# Altium PCB Copy of drac_v3.PcbDoc (part 2 of 5) (continued)
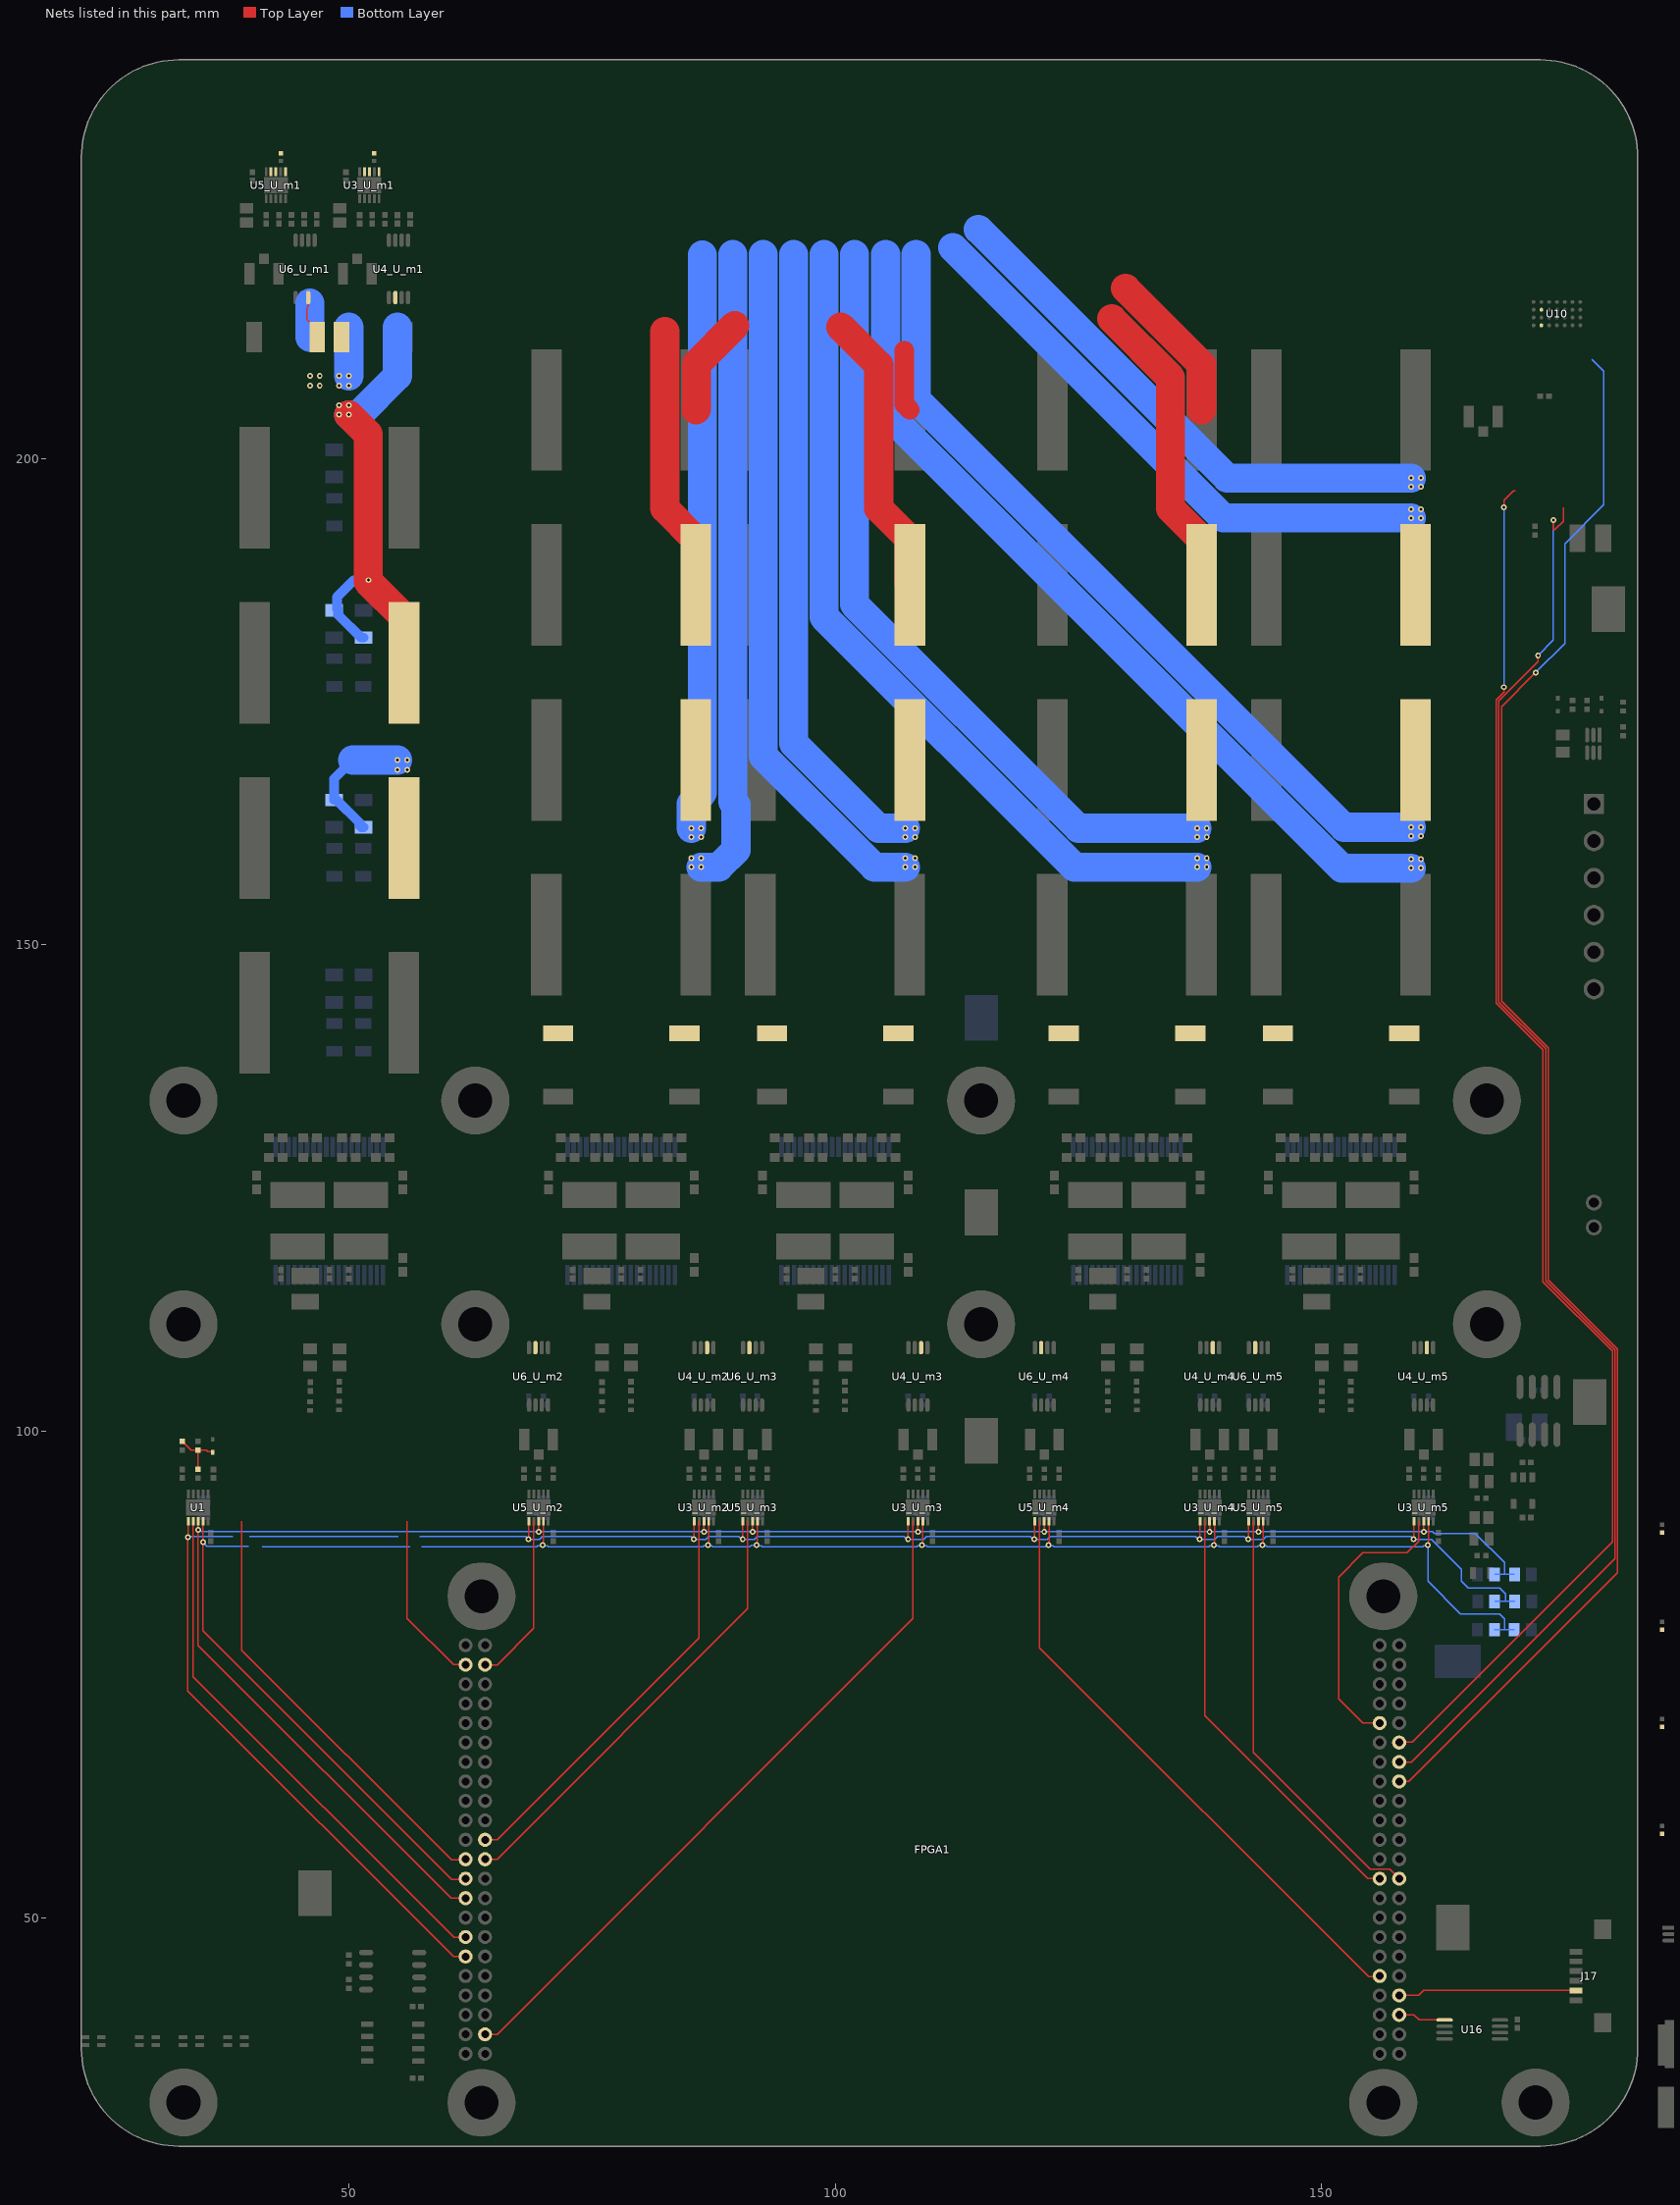
[diagram p4: the nets of this part, all layers, seen from the top]
## Part data (continued)
U7: "LVDS Receiver 8-Pin SOIC T/R", Case/Package=SOIC, Manufacturer="Texas Instruments", Manufacturer Part Number=SN65LVDS34DR, Max Input Current=75uA, Max Operating Temperature=85°C, Max Power Dissipation=950mW, Max Supply Voltage=3.6V, Min Operating Temperature=-40°C, Min Supply Voltage=3V, Nominal Supply Current=12mA, Operating Supply Voltage=3.3V, Package Quantity=2500, Supplier Part Number 1=296-SN65LVDT34DRCT-ND, Category="Interface ICs", ComponentLink1Description=https://datasheet.ciiva.com/1770/sn65lvdt33-1770664.pdf, ComponentLink1URL=https://datasheet.ciiva.com/1770/sn65lvdt33-1770664.pdf, ComponentLink2Description=https://datasheet.ciiva.com/3152/sn65lvds33-3152872.pdf, ComponentLink2URL=https://datasheet.ciiva.com/3152/sn65lvds33-3152872.pdf, ComponentLink3Description=https://datasheet.ciiva.com/15133/getdatasheetpartid-524946-15133570.pdf?src-supplier=Verical, ComponentLink3URL=https://datasheet.ciiva.com/15133/getdatasheetpartid-524946-15133570.pdf?src-supplier=Verical, ComponentLink4Description=https://datasheet.ciiva.com/26828/sn65lvdt34dr-26828764.pdf?src-supplier=IIIC, ComponentLink4URL=https://datasheet.ciiva.com/26828/sn65lvdt34dr-26828764.pdf?src-supplier=IIIC, ComponentLink5Description=https://datasheet.ciiva.com/1770/sn65lvdt33-1770866.pdf?src-supplier=Digi-Key, ComponentLink5URL=https://datasheet.ciiva.com/1770/sn65lvdt33-1770866.pdf?src-supplier=Digi-Key, ComponentLink6Description=https://datasheet.ciiva.com/3153/sn65lvds33-3153018.pdf?src-supplier=Avnet, ComponentLink6URL=https://datasheet.ciiva.com/3153/sn65lvds33-3153018.pdf?src-supplier=Avnet, ComponentLink7Description=https://datasheet.ciiva.com/26002/slls490b-26002508.pdf?src-supplier=Avnet+Europe, ComponentLink7URL=https://datasheet.ciiva.com/26002/slls490b-26002508.pdf?src-supplier=Avnet+Europe, Contact Plating=Gold, Data Rate=400Mbps, Lead Free="Lead Free", Logic Function=Receiver, Mount="Surface Mount", Number of Drivers=4, Number of Elements=4, Number of Pins=8, Number of Receivers=4, Packaging="Tape and Reel", Power Dissipation=950mW, Pricing 1="1=2.27, 10=2.042, 100=1.641, 500=1.34828, 1000=1.11714 (USD)", Pricing 2="1=2.75000, 10=2.47200, 25=2.33200, 100=1.86560, 250=1.63240, 500=1.58576, 1000=1.25928 (USD)", Propagation Delay=9ns, Radiation Hardening=No, Receiver Hysteresis=50mV, RoHS=Yes, RoHS Compliant=Yes, Series=65LVDT, Stock 1=3654, Stock 2=2291, Supplier 1=Digi-Key, Supplier 2=Digi-Key, Supplier Part Number 2=296-39187-1-ND, Supply Current=12mA, Turn-On Delay Time=9ns, Weight=0.002561oz
U8: library part CMP-0058-00996-3, "LVDS Dual High Speed Differential Driver, 8-pin Narrow SOIC, Pb-Free", Manufacturer="Texas Instruments", PackageTopMarking=NSZXTT*LV27A*TM, PowerWise=N, Code_IPC=SOIC127P600-8, Code_JEDEC=MS-012-AA, ComponentLink1Description="Datasheet URL", ComponentLink1URL=http://www.ti.com/general/docs/lit/getliterature.tsp?genericPartNumber=DS90LV027A&fileType=pdf, CompType="Interface IC", PackageDescription="SOIC Narrow, 4.9 x 3.9 x 1.45mm, 8 Lead, 1.27mm Pitch", PackageReference=D0008A, PinCount=8, RoHS=Y
U9: library part LP5907MFX-3.3/NOPB, "Ultra Low Noise, 250mA Linear Regulator", Alternate Manufacturer="Texas Instruments", Case/Package=SOT-23, Dropout Voltage=250mV, Max Input Voltage=5.5V, Max Operating Temperature=125°C, Max Output Current=250mA, Min Input Voltage=2.2V, Min Operating Temperature=-40°C, Nominal Output Voltage=1.8V, Output Voltage Accuracy=2%, Package Quantity=3000, Power Supply Rejection Ratio (PSRR)=82dB, Quiescent Current=25uA, Supplier Part Number 1=296-41463-1-ND, Accuracy=2%, Category="Voltage Regulators - Linear", ComponentLink1Description="Datasheet Link", ComponentLink1URL=http://www.ti.com/lit/ds/symlink/lp5907.pdf, ComponentLink2Description=https://datasheet.ciiva.com/15083/lp5907-15083594.pdf?src-supplier=Digi-Key, ComponentLink2URL=https://datasheet.ciiva.com/15083/lp5907-15083594.pdf?src-supplier=Digi-Key, CompType=IC, Contact Plating=Tin, LatestRevisionDate=2016-09-20, Lead Free="Lead Free", Manufacturer="Texas Instruments", Manufacturer Part Number=LP5907MFX-1.8/NOPB, Mount="Surface Mount", MountType=SMT, Number of Outputs=1, Number of Pins=5, Number of Regulators=1, Output Current=250mA, Output Type=Fixed, Output Voltage=1.8V, PackageDescription=SOT-5, PackageReference=DBV0005A, Packaging="Tape and Reel", PartNumber=LP5907MFX-1.8/NOPB, Polarity=Positive, Pricing 1="1=0.57000, 10=0.48900, 25=0.45640, 100=0.33900, 250=0.28684, 500=0.27380, 1000=0.20209 (USD)", Publisher="Texas Instruments", REACH SVHC="No SVHC", RoHS=Y, RoHS Compliant=Yes, SizeArea_mm2=8.12, SizeAreaWB_mm2=14.82, SizeX_mm=2.8, SizeY_mm=2.9, SizeZ_mm=1.45, Stock 1=17882, Supplier 1=Digi-Key, SymbolCreator=a0799628, SymbolVersion=2014-03-21, U/M=EA
U10: library part CMP-09139-000005-1, "DC DC CONVERTER 0.8-15V", Manufacturer="Analog Devices", Max Junction Temp=+125°C, Max Supply Voltage=40V, Min Supply Voltage=3.2V, Nominal Supply Current=3-8uA, Output Current=2uA, Output Voltage=0.8-15V, Package=BGA-28-05-08-1517, Switching Frequency=200-2200kHz, Temperature="-40°C to +125°C", Temperature Range Low=-40°C, Automotive=No, Category=IC, ComponentLink2Description=Datasheet, ComponentLink2URL=https://www.analog.com/media/en/technical-documentation/data-sheets/LTM8063.pdf, Device Class L1="Integrated Circuits (ICs)", Device Class L2="Power Management ICs", Device Class L3="Voltage Regulators - Switching", Digikey Description="DC DC CONVERTER 0.8-15V", Height=2.42mm, Ipc Land Pattern Name=BGA28C80P4X7_625X400X242, Lead Free=Yes, Manufacturer Part Number=LTM8063EY#PBF, Mouser Description="Module DC-DC 1-OUT 0.8V to 15V 2A Automotive 28-Pin BGA Tray", Number of Outputs=1, Octopart=https://octopart.com/ltm8063ey%23pbf-analog+devices-88947122, Output Type=AdjustableProgrammable, RoHS=TRUE, Standoff Height=0.3mm, Switching Topology=Buck, Temperature Range High=+125°C
U12: library part CMP-0784-00192-1, "Ultralow Noise, High Accuracy Voltage Reference, 4.096 V Output, 3 to 15 V Supply, Industrial, 8-pin SOIC (R-8), Tube", Manufacturer="Analog Devices", Operating Temp Range="-40 to 125 degC", Supplier Part Number 1=ADR4540BRZ-ND, Code_JEDEC=MS-012-AA, ComponentLink1Description="Manufacturer URL", ComponentLink1URL=http://www.analog.com/en/index.html, ComponentLink2Description=Datasheet, ComponentLink2URL=http://www.analog.com/static/imported-files/data_sheets/ADR4520_4525_4530_4533_4540_4550.pdf, ComponentLink3Description="Package Specification", ComponentLink3URL=http://www.analog.com/static/imported-files/packages/PKG_PDF/SOIC_Narrow%20(R)/R_8.pdf, ComponentLink4Description="URL Link1", ComponentLink4URL="Product URL:http://www.analog.com/en/special-linear-functions/voltage-references/adr4540/products/product.html", DatasheetVersion="Rev. 0", Max V Supply (V)=15, Min V Supply (V)=3, Mounting Technology="Surface Mount", PackageDescription="8-Pin Standard Small Outline Package, Body 4.9 x 3.9 mm, Pitch 1.27 mm", PackageReference=R-8, PackageVersion="060506-A, 06/2006", Packing=Tube, PartNumber=ADR4540BRZ, Ref Out TC (ppm/C)=2, Supplier 1=Digi-Key, Vout=4.096V
U15: Supplier Part Number 1=Z11634-ND, Supplier 1=Digi-Key
U16: library part CMP-0165-00422-1, "128K SPI Bus Serial EEPROM, 8-Pin TSSOP, Industrial Temperature, Tape and Reel", Code_JEDEC=MO-153, DatasheetVersion="revD, Jun-2009", PackageDescription="8-Lead Plastic Thin Shrink Small Outline (ST) - 4.4mm Body [TSSOP]", PackageReference=TSSOP-ST8, PackageVersion="revBB, Aug-2009"

## Free pads (board coordinates)
  round 7 hole 3.5: 1(33,31) 1(33,307) 1(33,111) 1(33,134) 1(63,111) 1(63,134) 1(63.635,30.965) 1(63.635,83.035) 1(77.5,307) 1(115,111) 1(115,134) 1(131.5,307) 1(156.345,30.965) 1(156.345,83.035) 1(167,111) 1(167,134) 1(172,31) 1(172,307)

## Via types
v1: diameter 0.6, hole 0.3, Top Layer to Bottom Layer, 774 vias

## Nets (pads, with @x,y where several pads share a name; then routed paths per layer and width w, separated by ;. In a path a pad name is that pad's centre, name@x,y a point inside that pad or via, vN(x,y) a via of type N, cw(c..) or ccw(c..) an arc to the next point about the centre after c; other vN are vias at no path point)
/BRAKE1: C42_U_m2.2 C46_U_m2.1 J16.20 L3_U_m2.2 | length 80.5
  Bottom Layer w1: 86.35,298.436 86.35,300.45 91.8,305.9 91.8,309.4 93.5,311.1 96.77,311.1 J16.20@98.29,309.58
  Bottom Layer w3: v1(85.2,162) 85.2,164.5 86.35,165.65 86.35,220.936
  other v1: 85.2,161.1 86.2,161.1 86.2,162
/BRAKE2: C42_U_m1.2 C46_U_m1.1 J16.22 L3_U_m1.2 | length 71.4
  Top Layer w1: 79.339,299.361 82.603,302.625 82.603,308.903 87.2,313.5 98.95,313.5 J16.22@102.87,309.58
  Top Layer w3: L3_U_m1.2@55.6,161.075 L3_U_m1.2@55.675,161 ; 60.8,289 66.046,294.246 74.224,294.246 79.339,299.361
  Bottom Layer w1: 50.399,169 48.5,167.101 C46_U_m1.1@48.5,164.9 48.75,164.9 51.1,162.55 51.1,162.25 51.25,162.1 C42_U_m1.2@51.5,162.1
  Bottom Layer w3: 50.399,169 v1(55,169)
  other v1: 55,168 56,168 56,169
/BRAKE3: C39_U_m1.2 C45_U_m1.1 J16.24 L2_U_m1.2 | length 120.3
  Top Layer w1: 67.3,300.5 71.473,304.673 71.473,309.673 77.7,315.9 101.13,315.9 J16.24@107.45,309.58
  Top Layer w3: v1(50,204.5) 52,202.5 52,187.35 55.675,183.675 L2_U_m1.2@55.675,179 ; 52.473,289.673 63.3,300.5 67.3,300.5
  Bottom Layer w1: C39_U_m1.2@51.5,181.6 51.25,181.6 48.9,183.95 48.9,184.436 48.786,184.55 48.786,185.786 50.5,187.5 v1(52,187.5)
  Bottom Layer w3: v1(50,204.5) 51,204.5 55,208.5 55,213.5
  other v1: 49,204.5 49,205.5 50,205.5
/CS_EEPROM: FPGA1.6 U16.1 | length 4.9
  Top Layer w0.147: FPGA1.6@157.98,40 159.5,40 160.025,39.475 U16.1@162.65,39.475
/MOTOR1: J16.2 R2_U_m2.2 U4_U_m2.2 | length 27.2
  Top Layer w2: 89.673,291.173 98.29,299.79 J16.2@98.29,304.5
  Top Layer w3: 85.675,205 85.75,205.075 85.75,209.75 89.673,213.673
/MOTOR2: J16.4 R2_U_m3.2 U4_U_m3.2 | length 24
  Top Layer w2: J16.4@102.87,304.5 102.87,292.83 107.1,288.6 ; 107.1,211.1 107.1,205.575 107.675,205
/MOTOR3: J16.6 R2_U_m4.2 U4_U_m4.2 | length 46.7
  Top Layer w2: J16.6@107.45,304.5 107.45,296.55 109,295 110.743,295
  Top Layer w3: 110.743,295 129.85,295 ; 129.85,217.5 137.675,209.675 137.675,205
/MOTOR4: J16.8 R2_U_m5.2 U4_U_m5.2 | length 59.6
  Bottom Layer w1.5: J16.8@112.03,304.5 112.126,304.404 112.126,303.674 114.725,301.075
  Bottom Layer w3: 114.725,223.575 140.3,198 v1(159.2,198)
  other v1: 159.2,197.1 160.2,197.1 160.2,198
/MOTOR5: C42_U_m3.2 C46_U_m3.1 J16.11 L3_U_m3.2 | length 74.5
  Bottom Layer w0.5: 97.15,302.65 J16.11@97.15,307.04
  Bottom Layer w1.5: 95.731,298.5 95.731,301.231 97.15,302.65
  Bottom Layer w3: 95.731,221 95.731,170.719 104.45,162 v1(107.2,162)
  other v1: 107.2,161.1 108.2,161.1 108.2,162
/MOTOR6: C42_U_m4.2 C46_U_m4.1 J16.13 L3_U_m4.2 | length 89.4
  Bottom Layer w0.5: 101.73,302.57 J16.13@101.73,307.04
  Bottom Layer w1.5: 101.73,302.57 101.985,302.315 101.985,298.5
  Bottom Layer w3: 101.985,221 101.985,185.015 125,162 v1(137.2,162)
  other v1: 137.2,161.1 138.2,161.1 138.2,162
/MOTOR7: C42_U_m5.2 C46_U_m5.1 J16.15 L3_U_m5.2 | length 93.4
  Bottom Layer w0.5: 106.3,302.7 106.3,307.03 J16.15@106.31,307.04
  Bottom Layer w1.5: 106.3,302.7 108.3,300.7 108.3,298.5
  Bottom Layer w3: 108.3,221 108.3,206.1 152.3,162.1 v1(159.2,162.1)
  other v1: 159.2,161.2 160.2,161.2 160.2,162.1
/RELAY: FPGA1.30 U15.4 | length 179
  Top Layer w0.147: FPGA1.30@157.98,64 159,64 180.429,85.429 180.429,108.455 173.302,115.582 173.302,139.432 168.502,144.232 168.502,174.502 v1(172,178) ; v1(177.79,299.21) U15.4@179.35,299.21
  Bottom Layer w0.147: v1(172,178) 175,181 175,191.25 179,195.25 179,209 177.79,210.21 ; 177.79,287.71 v1(177.79,299.21)
ADC_CNV: FPGA1.55 R31.1 R34.2 U1.6 U3_U_m1.6 U3_U_m2.6 U3_U_m3.6 U3_U_m4.6 U3_U_m5.6 U5_U_m1.6 U5_U_m2.6 U5_U_m3.6 U5_U_m4.6 U5_U_m5.6 | length 211.5
  Top Layer w0.147: U1.6@33.5,90.746 33.475,90.721 33.475,89.15 v1(33.45,89.125) 33.45,73.3 60.75,46 FPGA1.55@62,46 ; v1(68.482,88.892) 68.491,88.902 68.491,90.737 U5_U_m2.6@68.5,90.746 ; v1(85.482,88.892) 85.491,88.902 85.491,90.737 U3_U_m2.6@85.5,90.746 ; v1(90.482,88.892) 90.491,88.902 90.491,90.737 U5_U_m3.6@90.5,90.746 ; v1(107.482,88.892) 107.491,88.902 107.491,90.737 U3_U_m3.6@107.5,90.746 ; v1(120.482,88.892) 120.491,88.902 120.491,90.737 U5_U_m4.6@120.5,90.746 ; v1(137.482,88.892) 137.491,88.902 137.491,90.737 U3_U_m4.6@137.5,90.746 ; v1(142.482,88.892) 142.491,88.902 142.491,90.737 U5_U_m5.6@142.5,90.746 ; v1(159.482,88.892) 159.491,88.902 159.491,90.737 U3_U_m5.6@159.5,90.746
  Bottom Layer w0.147: v1(33.45,89.125) 33.5,89.175 38.076,89.175 ; 39.8,89.2 55.054,89.2 ; 57.3,89.2 68.174,89.2 v1(68.482,88.892) 69.592,88.892 69.9,89.2 85.174,89.2 v1(85.482,88.892) 86.692,88.892 87,89.2 90.054,89.2 90.361,88.892 v1(90.482,88.892) 91.692,88.892 92,89.2 107.054,89.2 107.361,88.892 v1(107.482,88.892) 109.092,88.892 109.4,89.2 120.054,89.2 120.361,88.892 v1(120.482,88.892) 121.792,88.892 122.1,89.2 137.054,89.2 137.361,88.892 v1(137.482,88.892) 138.992,88.892 139.3,89.2 142.054,89.2 142.361,88.892 v1(142.482,88.892) 143.992,88.892 144.3,89.2 159.174,89.2 v1(159.482,88.892) 161.308,88.892 164.4,85.8 164.4,84.6 165.1,83.9 168.3,83.9 168.9,83.3 168.9,82.569 168.831,82.5 ; R34.2@167.807,82.5 168.831,82.5 ; R31.1@169.855,82.5 168.831,82.5
ADC_CUR_SDO1_1: FPGA1.85 R28_U_m1.1 | length 18
  Top Layer w0.147: 56,90.746 56,80.75 60.75,76 FPGA1.85@62,76
ADC_CUR_SDO1_2: FPGA1.68 R28_U_m2.1 | length 42.6
  Top Layer w0.147: FPGA1.68@64,58 65.25,58 86,78.75 86,90.746
ADC_CUR_SDO1_3: FPGA1.48 R28_U_m3.1 | length 71.7
  Top Layer w0.147: FPGA1.48@64,38 65.25,38 108,80.75 108,90.746
ADC_CUR_SDO1_4: FPGA1.19 R28_U_m4.1 | length 44.9
  Top Layer w0.147: 138,90.746 138,70.75 154.75,54 FPGA1.19@155.98,54
ADC_CUR_SDO1_5: FPGA1.35 R28_U_m5.1 | length 29.6
  Top Layer w0.147: FPGA1.35@155.98,70 154.25,70 151.75,72.5 151.75,85 154.25,87.5 158.797,87.5 159.982,88.685 159.982,88.732 160,88.75 160,90.746
ADC_CUR_SDO2_1: FPGA1.65 R43_U_m1.1 | length 45.2
  Top Layer w0.147: 39,90.746 39,77.5 60.581,55.919 61.919,55.919 FPGA1.65@62,56
ADC_CUR_SDO2_2: FPGA1.86 R43_U_m2.1 | length 17.6
  Top Layer w0.147: FPGA1.86@64,76 64.01,75.99 65.26,75.99 69,79.73 69,90.746
ADC_CUR_SDO2_3: FPGA1.66 R43_U_m3.1 | length 46.7
  Top Layer w0.147: FPGA1.66@64,56 65.25,56 91,81.75 91,88.123 91,90.746
ADC_CUR_SDO2_4: FPGA1.9 R43_U_m4.1 | length 62
  Top Layer w0.147: 121,90.746 121,77.75 154.84,43.91 155.89,43.91 FPGA1.9@155.98,44
ADC_CUR_SDO2_5: FPGA1.20 R43_U_m5.1 | length 44.1
  Top Layer w0.147: 143,90.746 143,67 155,55 157,55 157.98,54.02 FPGA1.20@157.98,54
ADC_IN: D9.1 R1.2 R15.1 R16.2 | length 5.5
  Top Layer w0.147: R16.2@32.866,98.952 R16.2@32.866,98.952 33.773,98.048 R15.1@34.5,98.048 ; R1.2@34.5,96.1 R15.1@34.5,98.048 ; D9.1@36,97.84 35.94,97.9 35.5,97.9 35.352,98.048 R15.1@34.5,98.048
ADC_MV_SDO: FPGA1.57 U1.7 | length 55.1
  Top Layer w0.147: U1.7@34,90.746 34,74.75 60.803,47.947 61.947,47.947 FPGA1.57@62,48
ADC_SCK: FPGA1.61 R32.1 R35.2 U1.8 U3_U_m1.8 U3_U_m2.8 U3_U_m3.8 U3_U_m4.8 U3_U_m5.8 U5_U_m1.8 U5_U_m2.8 U5_U_m3.8 U5_U_m4.8 U5_U_m5.8 | length 198.5
  Top Layer w0.147: 34.5,89.185 34.5,78 60.5,52 FPGA1.61@62,52 ; 34.5,89.185 v1(34.5,89.875) U1.8@34.5,90.746 ; v1(69.5,89.678) U5_U_m2.8@69.5,90.746 ; v1(86.5,89.678) U3_U_m2.8@86.5,90.746 ; v1(91.5,89.678) U5_U_m3.8@91.5,90.746 ; v1(108.5,89.678) U3_U_m3.8@108.5,90.746 ; v1(121.5,89.678) U5_U_m4.8@121.5,90.746 ; v1(138.5,89.678) U3_U_m4.8@138.5,90.746 ; v1(143.5,89.678) U5_U_m5.8@143.5,90.746 ; v1(160.5,89.678) U3_U_m5.8@160.5,90.746
  Bottom Layer w0.147: v1(34.5,89.875) 34.623,89.875 34.823,89.675 36.725,89.675 36.728,89.678 39.5,89.678 56.5,89.678 v1(69.5,89.678) v1(86.5,89.678) v1(91.5,89.678) v1(108.5,89.678) v1(121.5,89.678) v1(138.5,89.678) v1(143.5,89.678) v1(160.5,89.678) 161.422,89.678 161.6,89.5 165.8,89.5 168.809,86.491 168.809,85.29 ; R35.2@167.785,85.29 168.809,85.29 ; R32.1@169.833,85.29 168.809,85.29
ADC_SDI: FPGA1.63 R33.1 R36.2 U1.9 U3_U_m1.9 U3_U_m2.9 U3_U_m3.9 U3_U_m4.9 U3_U_m5.9 U5_U_m1.9 U5_U_m2.9 U5_U_m3.9 U5_U_m4.9 U5_U_m5.9 | length 209.8
  Top Layer w0.147: v1(35,88.6) 35,79.5 60.581,53.919 61.919,53.919 FPGA1.63@62,54 ; 35,90.083 U1.9@35,90.746 ; v1(35,88.6) 35.001,90.082 ; v1(69.925,88.298) 70.001,88.374 70.001,89.83 ; 70,89.831 U5_U_m2.9@70,90.746 ; v1(86.925,88.298) 87.001,88.374 87.001,89.83 ; 87,89.831 U3_U_m2.9@87,90.746 ; v1(91.925,88.298) 92.001,88.374 92.001,89.83 ; 92,89.831 U5_U_m3.9@92,90.746 ; v1(108.925,88.298) 109.001,88.374 109.001,89.83 ; 109,89.831 U3_U_m3.9@109,90.746 ; v1(121.925,88.298) 122.001,88.374 122.001,89.83 ; 122,89.831 U5_U_m4.9@122,90.746 ; v1(138.925,88.298) 139.001,88.374 139.001,89.83 ; 139,89.831 U3_U_m4.9@139,90.746 ; v1(143.925,88.298) 144.001,88.374 144.001,89.83 ; 144,89.831 U5_U_m5.9@144,90.746 ; v1(160.925,88.298) 161.001,88.374 161.001,89.83 ; 161,89.831 U3_U_m5.9@161,90.746
  Bottom Layer w0.147: v1(35,88.6) 35,88.589 35.415,88.175 39.679,88.175 ; 41.1,88.1 56.3,88.1 ; 57.5,88.1 69.3,88.1 69.411,88.211 69.838,88.211 v1(69.925,88.298) 70.012,88.211 70.389,88.211 70.5,88.1 86.4,88.1 86.511,88.211 86.838,88.211 v1(86.925,88.298) 87.012,88.211 87.314,88.211 87.425,88.1 91.2,88.1 91.398,88.298 v1(91.925,88.298) 92.012,88.211 92.389,88.211 92.5,88.1 108.4,88.1 108.511,88.211 108.838,88.211 v1(108.925,88.298) 109.012,88.211 109.389,88.211 109.5,88.1 121.604,88.1 121.802,88.298 v1(121.925,88.298) 122.012,88.211 122.389,88.211 122.5,88.1 138.4,88.1 138.511,88.211 138.838,88.211 v1(138.925,88.298) 139.012,88.211 139.389,88.211 139.5,88.1 143.4,88.1 143.511,88.211 143.838,88.211 v1(143.925,88.298) 144.012,88.211 144.289,88.211 144.4,88.1 160.4,88.1 160.511,88.211 160.838,88.211 v1(160.925,88.298) 160.925,84.575 164.3,81.2 168.3,81.2 168.8,80.7 168.8,79.6 ; R36.2@167.776,79.6 168.8,79.6 ; R33.1@169.824,79.6 168.8,79.6
BRAKE1: J16.19 R3_U_m2.2 U6_U_m2.3 | length 80.9
  Bottom Layer w1: 89.477,298.5 89.477,301.983 92.927,305.433 92.927,308.933 93.574,309.58 J16.19@96,309.58
  Bottom Layer w3: v1(86.2,158) 88.043,158 89.8,159.757 89.8,164.4 89.477,164.723 89.477,221
  other v1: 85.2,158 85.2,158.9 86.2,158.9
BRAKE2: J16.21 R3_U_m1.2 U6_U_m1.3 | length 56.6
  Top Layer w0.152: U6_U_m1.3@45.825,216.55 45.825,215.625 45.674,215.474 45.674,214.326 46.75,213.25 R3_U_m1.2@46.75,212.5
  Top Layer w1: 83,298.6 83.73,299.33 83.73,308.436 87.667,312.373 97.787,312.373 J16.21@100.58,309.58
  Top Layer w3: 67.341,291.119 75.519,291.119 83,298.6
  Bottom Layer w3: 46,212.5 46,216
  other v1: 46,207.5 47,207.5 46,208.5 47,208.5
BRAKE3: J16.23 R2_U_m1.2 U4_U_m1.2 | length 70.7
  Top Layer w1: 71,297.427 72.6,299.027 72.6,309.206 78.167,314.773 99.967,314.773 J16.23@105.16,309.58
  Top Layer w3: 57.673,290.295 64.751,297.373 70.946,297.373 71,297.427
  Bottom Layer w3: v1(50,208.5) 50,213.5
  other v1: 49,207.5 50,207.5 49,208.5
COIL1_P2: C39_U_m2.2 C45_U_m2.1 J16.1 L2_U_m2.2 | length 48.6
  Top Layer w2: 90.642,295.858 96,301.215 J16.1@96,304.5
  Top Layer w3: 82.473,213.073 82.473,194.877 85.675,191.675 L2_U_m2.2@85.675,187 ; 82.473,290.573 86.858,294.958 89.742,294.958 90.642,295.858
COIL1_P3: C39_U_m3.2 C45_U_m3.1 J16.3 L2_U_m3.2 | length 42.9
  Top Layer w2: 100.58,291.02 J16.3@100.58,304.5
  Top Layer w3: 100.58,213.52 104.473,209.627 104.473,194.877 107.6,191.75 107.6,187.075 L2_U_m3.2@107.675,187
COIL1_P4: C39_U_m4.2 C45_U_m4.1 J16.5 L2_U_m4.2 | length 64.9
  Top Layer w2: J16.5@105.16,304.5 105.16,295.74 108.4,292.5 108.4,292.373
  Top Layer w3: 108.4,292.373 108.527,292.373 109.027,291.873 128.427,291.873 ; 128.427,214.373 134.473,208.327 134.473,194.877 137.6,191.75 137.6,187.075 L2_U_m4.2@137.675,187
COIL1_P5: C39_U_m5.2 C45_U_m5.1 J16.7 L2_U_m5.2 | length 64.9
  Bottom Layer w1.5: J16.7@109.74,304.5 109.74,302.36 112.1,300 112.1,299.2
  Bottom Layer w3: 112.1,221.7 139.9,193.9 v1(159.2,193.9)
  other v1: 160.2,193.9 159.2,194.8 160.2,194.8
COIL2_P3: J16.10 R3_U_m3.2 U6_U_m3.3 | length 80.4
  Bottom Layer w0.5: 93.9,303.593 94.8,304.493 94.8,306.98 J16.10@94.86,307.04
  Bottom Layer w1.5: 92.604,298.5 92.604,302.297 93.9,303.593
  Bottom Layer w3: 92.604,221 92.604,169.424 104.028,158 v1(107.2,158)
  other v1: 108.2,158 107.2,158.9 108.2,158.9
COIL2_P4: J16.12 R3_U_m4.2 U6_U_m4.3 | length 95.1
  Bottom Layer w0.5: 99.44,302.54 J16.12@99.44,307.04
  Bottom Layer w1.5: 98.858,298.5 98.858,301.958 99.44,302.54
  Bottom Layer w3: 98.858,221 98.858,183.72 124.578,158 v1(137.2,158)
  other v1: 138.2,158 137.2,158.9 138.2,158.9
COIL2_P5: J16.14 R3_U_m5.2 U6_U_m5.3 | length 98.7
  Bottom Layer w0.5: 104.02,302.58 J16.14@104.02,307.04
  Bottom Layer w1.5: 104.02,302.58 105.173,301.427 105.173,298.5
  Bottom Layer w3: 105.173,221 105.173,204.805 152.078,157.9 v1(159.2,157.9)
  other v1: 160.2,157.9 159.2,158.8 160.2,158.8
ESPM_POWER_EN: FPGA1.32 U10.B3 | length 148.6
  Top Layer w0.127: FPGA1.32@157.98,66 159.25,66 180.165,86.915 180.165,108.346 173.038,115.473 173.038,139.323 168.238,144.123 168.238,175.091 172.25,179.103 v1(172.25,179.75) ; v1(173.831,193.669) 173.831,192.683 173.982,192.683 174.874,193.576 174.874,194.949
  Bottom Layer w0.127: v1(172.25,179.75) 173.831,181.331 v1(173.831,193.669)
ESPM_POWER_GOOD: FPGA1.34 U10.B1 | length 144.4
  Top Layer w0.147: FPGA1.34@157.98,68 158.048,68.068 159.318,68.068 179.901,88.651 179.901,108.236 172.774,115.363 172.774,139.213 167.974,144.013 167.974,175.2 168.75,175.976 v1(168.75,176.5) ; v1(168.75,195) 168.75,195.7 169.724,196.674 169.949,196.674
  Bottom Layer w0.147: v1(168.75,176.5) v1(168.75,195)
FRONT_PANEL_LED: FPGA1.8 J17.2 | length 18.4
  Top Layer w0.147: FPGA1.8@157.98,42 160,42 160.5,42.5 J17.2@176.15,42.5